# KiCad board aquarius-plus.kicad_pcb (continued)
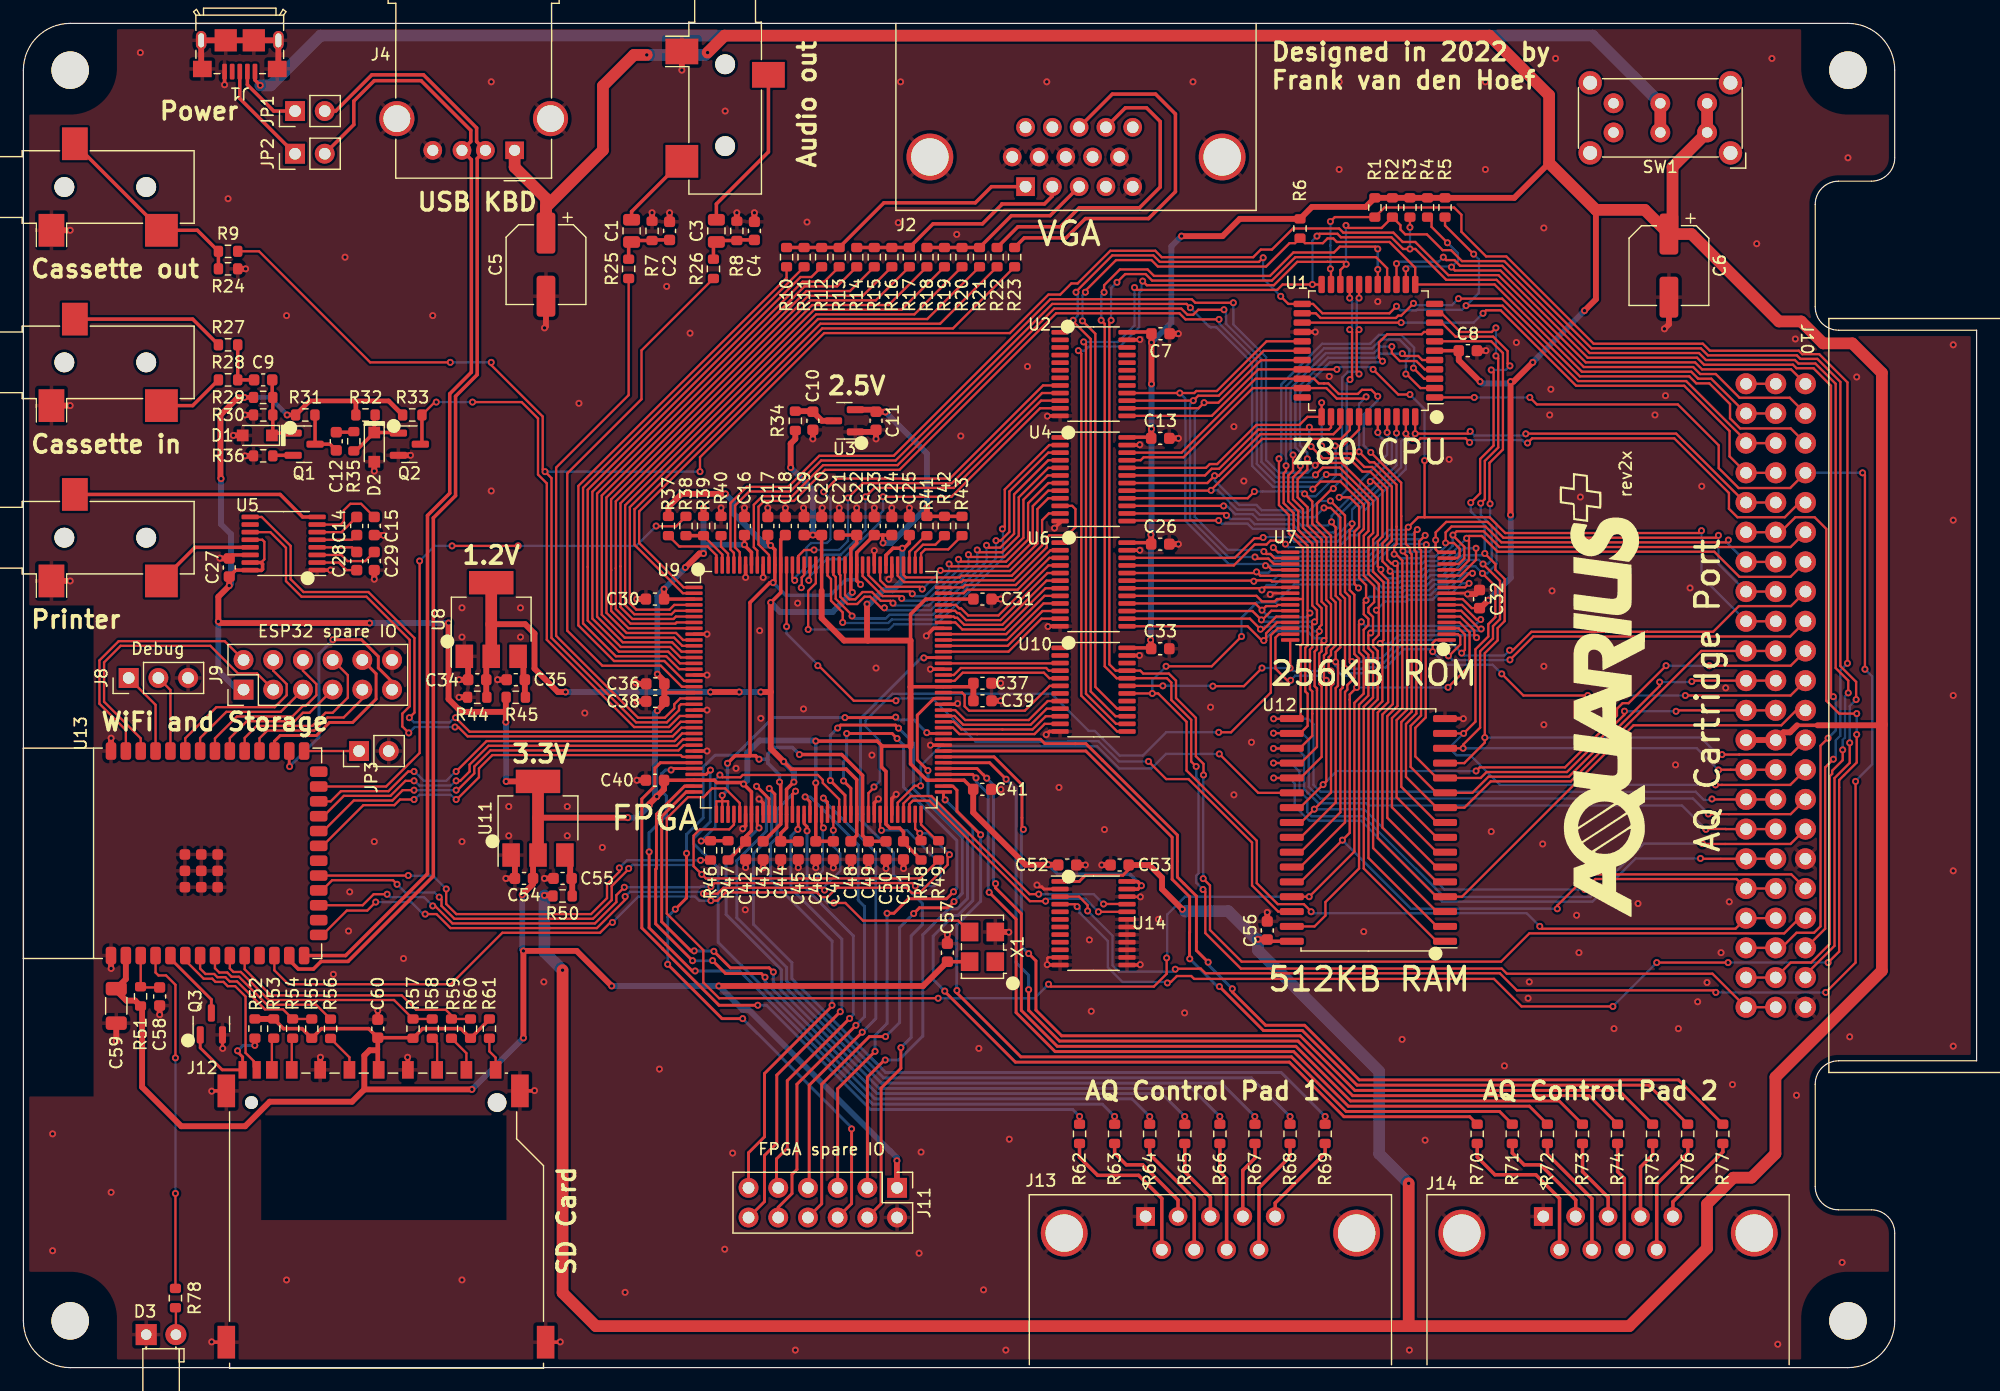
[diagram p0: board, top side]
## Footprints (pads in the part's own frame, mm; a bottom-side part is the same pattern mirrored in y, then rotated) (continued)
TSOP-I-32_12.4x8mm_P0.5mm
  rrect 1.575x0.3 smd: 1(-6.688,3.75) 2(-6.688,3.25) 3(-6.688,2.75) 4(-6.688,2.25) 5(-6.688,1.75) 6(-6.688,1.25) 7(-6.688,0.75) 8(-6.688,0.25) 9(-6.688,-0.25) 10(-6.688,-0.75) 11(-6.688,-1.25) 12(-6.688,-1.75) 13(-6.688,-2.25) 14(-6.688,-2.75) 15(-6.688,-3.25) 16(-6.688,-3.75) 17(6.688,-3.75) 18(6.688,-3.25) 19(6.688,-2.75) 20(6.688,-2.25) 21(6.688,-1.75) 22(6.688,-1.25) 23(6.688,-0.75) 24(6.688,-0.25) 25(6.688,0.25) 26(6.688,0.75) 27(6.688,1.25) 28(6.688,1.75) 29(6.688,2.25) 30(6.688,2.75) 31(6.688,3.25) 32(6.688,3.75)
TSSOP-16_4.4x5mm_P0.65mm
  rrect 1.475x0.4 smd: 1(-2.862,2.275) 2(-2.862,1.625) 3(-2.862,0.975) 4(-2.862,0.325) 5(-2.862,-0.325) 6(-2.862,-0.975) 7(-2.862,-1.625) 8(-2.862,-2.275) 9(2.862,-2.275) 10(2.862,-1.625) 11(2.862,-0.975) 12(2.862,-0.325) 13(2.862,0.325) 14(2.862,0.975) 15(2.862,1.625) 16(2.862,2.275)
TSSOP-24_4.4x7.8mm_P0.65mm
  rrect 1.475x0.4 smd: 1(-2.862,3.575) 2(-2.862,2.925) 3(-2.862,2.275) 4(-2.862,1.625) 5(-2.862,0.975) 6(-2.862,0.325) 7(-2.862,-0.325) 8(-2.862,-0.975) 9(-2.862,-1.625) 10(-2.862,-2.275) 11(-2.862,-2.925) 12(-2.862,-3.575) 13(2.862,-3.575) 14(2.862,-2.925) 15(2.862,-2.275) 16(2.862,-1.625) 17(2.862,-0.975) 18(2.862,-0.325) 19(2.862,0.325) 20(2.862,0.975) 21(2.862,1.625) 22(2.862,2.275) 23(2.862,2.925) 24(2.862,3.575)
USB_A_Molex_67643_Horizontal
  rect 1.6x1.5 hole 0.95: 1(0,0)
  round 1.6 hole 0.95: 2(2.5,0) 3(4.5,0) 4(7,0)
  round 3 hole 2.3: 5(-3.07,-2.71) 5(10.07,-2.71)

## Nets
+1V2: C18.1 C21.1 C22.1 C34.1 C44.1 C45.1 C48.1 R44.2 U8.2 U9.49 U9.61 U9.121 U9.133
+2V5: C11.1 C17.1 C23.1 C24.1 C43.1 C49.1 C50.1 R37.2 R41.2 R42.2 R43.2 U3.2 U9.37 U9.38 U9.39 U9.48 U9.62 U9.120 U9.134
+3V3: C16.1 C19.1 C20.1 C25.1 C27.1 C30.1 C31.1 C36.1 C37.1 C38.1 C39.1 C40.1 C41.1 C42.1 C46.1 C47.1 C51.1 C52.1 C54.1 C57.1 C59.1 C60.1 J9.1 J11.1 J12.4 R29.2 R31.2 R32.2 R33.2 R34.1 R39.2 R45.1 R47.2 R48.2 R51.1 R52.1 R53.2 R55.2 R57.2 R60.2 R61.2 U5.12 U5.15 U5.16 U9.3 U9.19 U9.34 U9.43 U9.54 U9.66 U9.75 U9.91 U9.106 U9.115 U9.126 U9.138 U11.2 U13.2 U14.23 U14.24 X1.4
+5V: C5.1 C6.1 C7.1 C8.1 C13.1 C26.1 C32.1 C33.1 C53.1 C56.1 J4.1 J10.25 R1.1 R2.1 R3.1 R4.1 R5.1 R6.1 R50.1 SW1.1 SW1.4 U1.6 U2.24 U4.24 U6.24 U7.8 U10.24 U12.32 U14.1
GND: C2.2 C4.2 C5.2 C6.2 C7.2 C8.2 C10.2 C11.2 C13.2 C15.2 C16.2 C17.2 C18.2 C19.2 C20.2 C21.2 C22.2 C23.2 C24.2 C25.2 C26.2 C27.2 C29.2 C30.2 C31.2 C32.2 C33.2 C34.2 C35.2 C36.2 C37.2 C38.2 C39.2 C40.2 C41.2 C42.2 C43.2 C44.2 C45.2 C46.2 C47.2 C48.2 C49.2 C50.2 C51.2 C52.2 C53.2 C54.2 C55.2 C56.2 C57.2 C58.2 C59.2 C60.2 D1.2 D2.2 D3.1 J1.5 J1.6 J2.0 J2.5 J2.6 J2.7 J2.8 J2.10 J3.S J4.4 J4.5 J5.S J6.S J7.S J8.3 J9.12 J10.34 J10.44 J11.2 J12.3 J12.6 J12.12 J13.0 J13.1 J14.0 J14.1 JP3.2 Q2.2 Q3.2 R7.1 R8.1 R24.1 R30.1 R36.1 R40.2 R44.1 U1.26 U2.12 U2.23 U3.1 U4.12 U4.23 U5.1 U5.14 U6.12 U6.23 U7.9 U7.24 U8.1 U9.9 U9.16 U9.22 U9.29 U9.42 U9.45 U9.64 U9.67 U9.81 U9.88 U9.94 U9.101 U9.114 U9.117 U9.136 U9.139 U10.12 U10.23 U11.1 U12.16 U13.1 U13.40 U13.41 U14.2 U14.11 U14.12 U14.13 U14.14 U14.15 U14.16 U14.17 U14.18 U14.19 U14.22 X1.2
VBUS: J1.1 SW1.2 SW1.5
A0: J10.23 U1.27 U2.16 U7.20 U12.12
A1: J10.21 U1.28 U2.15 U7.19 U12.11
A2: J10.19 U1.29 U2.14 U7.18 U12.10
A3: J10.17 U1.30 U2.13 U7.17 U12.9
A4: J10.15 U1.31 U4.22 U7.16 U12.8
A5: J10.13 U1.32 U4.21 U7.15 U12.7
A6: J10.12 U1.34 U4.20 U7.14 U12.6
A7: J10.14 U1.35 U4.19 U7.13 U12.5
A8: J10.16 U1.36 U4.18 U7.3 U12.27
A9: J10.18 U1.37 U4.17 U7.2 U12.26
A10: J10.20 U1.38 U4.16 U7.31 U12.23
A11: J10.22 U1.40 U4.15 U7.1 U12.25
A12: J10.24 U1.41 U4.14 U7.12 U12.4
A13: J10.36 U1.42 U4.13 U7.4 U12.28
A14: J10.10 U1.43 U6.22
A15: J10.9 U1.44 U6.21
AUDIO_L: R25.1 U9.20
AUDIO_R: R26.1 U9.18
BA14: U7.5 U9.141 U12.3
BA15: U7.11 U9.140 U12.31
BA16: U7.10 U9.137 U12.2
BA17: U7.6 U9.135 U12.1
BA18: U9.132 U12.30
BUSACK#: J10.42 R2.2 U1.20 U10.13
BUSREQ#: J10.4 R3.2 U1.22 U10.14
CART_CE#: J10.11 U14.4
CASSETTE_IN: Q2.3 R33.1 U9.23
CASSETTE_OUT: J10.2 R9.1 U9.21
D0: J10.26 U1.9 U6.20 U7.21 U12.13
D1: J10.27 U1.10 U6.19 U7.22 U12.14
D2: J10.28 U1.7 U6.18 U7.23 U12.15
D3: J10.29 U1.3 U6.17 U7.25 U12.17
D4: J10.30 U1.2 U6.16 U7.26 U12.18
D5: J10.31 U1.4 U6.15 U7.27 U12.19
D6: J10.32 U1.5 U6.14 U7.28 U12.20
D7: J10.33 U1.8 U6.13 U7.29 U12.21
ESP_CTS: U9.26 U13.24
ESP_EXP0: J9.2 U13.39
ESP_EXP1: J9.3 U13.38
ESP_EXP2: J9.4 U13.35
ESP_EXP3: J9.5 U13.34
ESP_EXP4: J9.6 U13.33
ESP_EXP5: J9.7 U13.32
ESP_EXP6: J9.8 U13.31
ESP_EXP7: J9.9 U13.30
ESP_EXP8: J9.10 U13.29
ESP_EXP9: J9.11 U13.28
ESP_NOTIFY: U13.20
ESP_RTS: U9.28 U13.22
ESP_RX: U9.27 U13.23
ESP_TX: U9.30 U13.21
ESP_USB_DM: J4.2 JP1.2 U13.13
ESP_USB_DP: J4.3 JP2.2 U13.14
FPGA_A0: U2.8 U9.131
FPGA_A1: U2.9 U9.130
FPGA_A2: U2.10 U9.129
FPGA_A3: U2.11 U9.128
FPGA_A4: U4.2 U9.127
FPGA_A5: U4.3 U9.125
FPGA_A6: U4.4 U9.124
FPGA_A7: U4.5 U9.123
FPGA_A8: U4.6 U9.122
FPGA_A9: U4.7 U9.119
FPGA_A10: U4.8 U9.118
FPGA_A11: U4.9 U9.116
FPGA_A12: U4.10 U9.113
FPGA_A13: U4.11 U9.112
FPGA_A14: U6.2 U9.108
FPGA_A15: U6.3 U9.107
FPGA_BUSACK#: U9.84 U10.11
FPGA_BUSREQ#: U9.85 U10.10
FPGA_CART_CE#: U9.70 U14.20
FPGA_D0: U6.4 U9.105
FPGA_D1: U6.5 U9.104
FPGA_D2: U6.6 U9.103
FPGA_D3: U6.7 U9.102
FPGA_D4: U6.8 U9.100
FPGA_D5: U6.9 U9.99
FPGA_D6: U6.10 U9.98
FPGA_D7: U6.11 U9.97
FPGA_DONE: R48.1 U9.71 U13.12
FPGA_EXP0: J11.4 U9.96
FPGA_EXP1: J11.3 U9.89
FPGA_EXP2: J11.6 U9.83
FPGA_EXP3: J11.5 U9.60
FPGA_EXP4: J11.8 U9.59
FPGA_EXP5: J11.7 U9.56
FPGA_EXP6: J11.10 U9.53
FPGA_EXP7: J11.9 U9.52
FPGA_EXP8: J11.12 U9.51
FPGA_EXP9: J11.11 U9.50
FPGA_INT#: U9.87 U10.8
FPGA_IORQ#: U9.93 U10.4
FPGA_MREQ#: U9.95 U10.3
FPGA_PHI: U9.69 U14.21
FPGA_PROG#: R38.1 U13.25
FPGA_RD#: U9.92 U10.5
FPGA_RESET#: U9.86 U10.9
FPGA_WR#: U9.90 U10.6
HALT#: J10.41 U1.14
HC1_D00: R62.2 U9.31
HC1_D01: R64.2 U9.33
HC1_D02: R66.2 U9.36
HC1_D03: R68.2 U9.46
HC1_D04: R69.2 U9.47
HC1_D05: R67.2 U9.44
HC1_D06: R65.2 U9.35
HC1_D07: R63.2 U9.32
HC2_D00: R70.2 U9.73
HC2_D01: R72.2 U9.76
HC2_D02: R74.2 U9.78
HC2_D03: R76.2 U9.80
HC2_D04: R77.2 U9.82
HC2_D05: R75.2 U9.79
HC2_D06: R73.2 U9.77
HC2_D07: R71.2 U9.74
INT#: J10.3 R6.2 U1.12 U10.16
IORQ#: J10.43 U1.16 U10.20
M1#: J10.6 U1.24
MREQ#: J10.38 U1.15 U10.21
NMI#: J10.39 R4.2 U1.13
PHI: J10.8 U1.1 U14.3
PRINTER_IN: U5.9 U9.24
PRINTER_OUT: U5.11 U9.25
RAM_CE#: U9.68 U12.22
RAM_ROM_WE#: U7.7 U9.41 U12.29
RD#: J10.35 U1.18 U7.32 U10.19 U12.24
RESET#: J10.5 R5.2 U1.23 U10.15
RFSH#: J10.7 U1.25
ROM_CE#: U7.30 U9.63
SD_ACTIVITY: R78.1 U13.4
SD_CD#: J12.10 U13.6
SD_MISO: R54.1 R55.1 U13.7
SD_MOSI: R57.1 R58.1 U13.9
SD_SCK: R56.1 U13.8
SD_SSEL#: R59.1 R60.1 U13.10
SD_WP#: Q3.3 U13.5
SPI_CS#: R46.1 U13.19
SPI_MISO: U9.57 U13.15
SPI_MOSI: U9.65 U13.17
SPI_SCLK: R49.1 U9.40 U13.18
SYSCLK: U9.55 X1.3
VGA_B0: R21.1 U9.4
VGA_B1: R20.1 U9.5
VGA_B2: R19.1 U9.6
VGA_B3: R18.1 U9.7
VGA_G0: R17.1 U9.8
VGA_G1: R16.1 U9.10
VGA_G2: R15.1 U9.11
VGA_G3: R14.1 U9.12
VGA_HSYNC: R23.1 U9.1
VGA_R0: R13.1 U9.13
VGA_R1: R12.1 U9.14
VGA_R2: R11.1 U9.15
VGA_R3: R10.1 U9.17
VGA_VSYNC: R22.1 U9.2
WAIT#: J10.40 R1.2 U1.21
WR#: J10.37 U1.19 U10.18
Net-(C1-Pad1): C1.1 C2.1 R7.2 R25.2
Net-(C1-Pad2): C1.2 J3.T
Net-(C3-Pad1): C3.1 C4.1 R8.2 R26.2
Net-(C3-Pad2): C3.2 J3.R
Net-(C9-Pad1): C9.1 R27.2 R28.2
Net-(C12-Pad2): C12.2 R35.1
Net-(D1-K): C9.2 D1.1 Q1.1 R29.1 R30.2
Net-(D2-K): D2.1 Q2.1 R32.1 R35.2
Net-(D3-A): D3.2 R78.2
Net-(J1-D+): J1.3 JP2.1
Net-(J1-D-): J1.2 JP1.1
Net-(J2-Pad1): J2.1 R10.2 R11.2 R12.2 R13.2
Net-(J2-Pad2): J2.2 R14.2 R15.2 R16.2 R17.2
Net-(J2-Pad3): J2.3 R18.2 R19.2 R20.2 R21.2
Net-(J2-Pad13): J2.13 R23.2
Net-(J2-Pad14): J2.14 R22.2
Net-(J5-PadR): J5.R J5.T R9.2 R24.2
Net-(J6-PadR): J6.R R27.1
Net-(J6-PadT): J6.T R28.1
Net-(J8-Pin_1): J8.1 U13.37
Net-(J8-Pin_2): J8.2 U13.36
Net-(J12-CD/DAT3): J12.1 R59.2
Net-(J12-CLK): J12.5 R56.2
Net-(J12-CMD): J12.2 R58.2
Net-(J12-DAT0): J12.7 R54.2
Net-(J12-DAT1): J12.8 R53.1
Net-(J12-DAT2): J12.9 R61.1
Net-(J12-WRITE_PROTECT): J12.11 Q3.1 R52.2
Net-(J13-Pad2): J13.2 R63.1
Net-(J13-Pad3): J13.3 R65.1
Net-(J13-Pad4): J13.4 R67.1
Net-(J13-Pad5): J13.5 R69.1
Net-(J13-Pad6): J13.6 R62.1
Net-(J13-Pad7): J13.7 R64.1
Net-(J13-Pad8): J13.8 R66.1
Net-(J13-Pad9): J13.9 R68.1
Net-(J14-Pad2): J14.2 R71.1
Net-(J14-Pad3): J14.3 R73.1
Net-(J14-Pad4): J14.4 R75.1
Net-(J14-Pad5): J14.5 R77.1
Net-(J14-Pad6): J14.6 R70.1
Net-(J14-Pad7): J14.7 R72.1
Net-(J14-Pad8): J14.8 R74.1
Net-(J14-Pad9): J14.9 R76.1
Net-(JP3-A): JP3.1 U13.27
Net-(Q1-C): C12.1 Q1.3 R31.1
Net-(Q1-E): Q1.2 R36.2
Net-(U3-VI): C10.1 R34.2 U3.3
Net-(U5-C1+): C28.1 U5.2
Net-(U5-C1-): C28.2 U5.4
Net-(U5-C2+): C14.1 U5.5
Net-(U5-C2-): C14.2 U5.6
Net-(U5-DOUT): J7.T U5.13
Net-(U5-RIN): J7.R U5.8
Net-(U5-V+): C29.1 U5.3
Net-(U5-V-): C15.1 U5.7
Net-(U8-VI): C35.1 R45.2 U8.3
Net-(U9-B4_IO_INIT_B): R46.2 R47.1 U9.58
Net-(U9-CCLK): R49.2 U9.72
Net-(U9-HSWAP_EN): R40.1 U9.142
Net-(U9-PROG_B): R38.2 R39.1 U9.143
Net-(U9-TCK): R42.1 U9.110
Net-(U9-TDI): R37.1 U9.144
Net-(U9-TDO): R43.1 U9.109
Net-(U9-TMS): R41.1 U9.111
Net-(U11-VI): C55.1 R50.2 U11.3
Net-(U13-EN): C58.1 R51.2 U13.3

Pads without a net: J1 4; J2 4 9 11 12 15; J10 1; SW1 3 6; U1 11 17 33 39; U2 1 2 3 4 5 6 7 17 18 19 20 21 22; U4 1; U5 10; U6 1; U10 1 2 7 17 22; U13 11 16 26; U14 5 6 7 8 9 10; X1 1

## Via types
v1: diameter 0.6, hole 0.3, Top to Bottom, 715 vias

## Routing (per net, layer and track width the routed paths; a pad name or vN(x,y) marks a point on that pad's centre or on a via; arc(x,y) is an arc through that point)
+1V2: length 93.9
  Top w0.3: v1(65.88,50.1) 65.25,49.47 U9.49 65.25,46.2 64.75,45.7 C44.1 C45.1 ; C48.1 71.25,45.53 U9.61 71.25,50.3 70.35,51.2 65.65,51.2 v1(65,51.85) ; v1(63.9,65.45) 64.75,66.3 U9.133 64.75,70.83 C18.1 ; v1(70.88,66.33) 70.75,66.45 U9.121 70.75,70.03 71.25,70.53 C22.1 C21.1
  Top w0.5: 39.58,57.4 C34.1 39.58,60.42 ; v1(46.35,57.8) 45.7,57.8 43.7,59.8 43.7,62.8 42.9,63.6 40,63.6 ; v1(65,51.85) 63.9,52.95 63.9,57.8 ; v1(61.2,57.8) v1(58.75,57.8) ; 63.9,57.8 v1(63.05,57.8) ; 63.9,57.8 v1(63.9,65.45)
  Top w1: U8.2 U8.2
  Bottom w0.5: v1(65,51.85) 65.88,50.97 v1(65.88,50.1) ; v1(70.88,66.33) 69.2,64.65 64.7,64.65 v1(63.9,65.45) ; v1(63.05,57.8) v1(61.2,57.8) ; v1(46.35,57.8) v1(58.75,57.8)
+2V5: length 106
  Top w0.2: 59.75,48.45 60.25,48.45 U9.39 ; 59.75,48.45 v1(59.75,48.95) ; 59.75,48.45 U9.38 ; 59.75,48.45 59.25,48.45 U9.37
  Top w0.3: v1(66.35,52.45) 69.96,52.45 71.75,50.66 U9.62 71.75,45.53 C49.1 C50.1 ; v1(64.65,50.1) 64.75,50 U9.48 64.75,46.5 63.28,45.03 ; 73.47,71.22 C23.1 71.25,69.73 U9.120 71.25,67.33 v1(71.57,67) ; 73.47,71.22 C24.1 ; 73.47,71.22 73.47,70.58 v1(73.5,70.55) ; R41.2 R42.2 R43.2 ; 62.12,52.35 62.6,52.35 v1(62.9,52.05) ; 62.12,52.35 62.12,65.45 63.82,67.15 v1(64.1,67.15) 64.25,67.3 U9.134 64.25,69.97 v1(63.89,70.34) 63.65,70.58 C17.1 ; 62.12,52.35 60.85,52.35 v1(60.2,51.7)
  Top w0.5: v1(73.7,81.75) 73.68,81.78 C11.1 ; v1(60.03,74.75) 56.28,74.75 55.15,73.62 R37.2 ; U3.2 72.72,81.95 ; v1(77.25,73.6) R41.2
  Bottom w0.3: v1(60.2,51.7) 60.2,49.4 v1(59.75,48.95) ; 63.65,52 63.65,51.7 64.65,50.7 v1(64.65,50.1) ; 63.65,52 63.65,52.5 64.2,53.05 65.75,53.05 v1(66.35,52.45) ; 63.65,52 63.6,52.05 v1(62.9,52.05) ; v1(64.1,67.15) 65.18,66.07 68.97,66.07 70.3,67.4 71.18,67.4 v1(71.57,67)
  Bottom w0.5: v1(60.03,74.75) 60.7,74.08 60.7,73.1 63.46,70.34 v1(63.89,70.34) ; v1(73.7,81.75) 77.25,78.2 v1(77.25,73.6) 74.2,70.55 v1(73.5,70.55)
+3V3: length 462.4
  Top w0.2: U5.12 20.42,70.83 20.6,70.65 20.6,69.15 20.33,68.88
  Top w0.25: R53.2 21.3,29.83 21.29,29.83
  Top w0.3: C27.1 18.15,68.22 U5.16 ; 73.43,53.17 73.38,53.12 73.38,51.38 73.75,51 U9.66 73.75,46.5 74.09,46.16 74.91,46.16 75.25,45.83 C51.1 ; 73.43,53.17 75.8,53.17 75.85,53.12 75.85,51.65 77.25,50.25 80.43,50.25 C41.1 ; 73.43,53.17 73,53.6 v1(67.75,53.6) ; 54.78,57.75 U9.19 ; 94.36,41.58 95.28,41.58 95.6,41.25 95.59,41.24 v1(95.59,41.23) 95.58,41.23 95.28,40.92 94.36,40.92 ; R53.2 22.23,29 23.83,29 R55.2 25.48,29 29.53,29 C60.1 33.26,28.22 R57.2 34.14,29 37.4,29 R60.2 39.84,29.79 R61.2 ; 81.22,58.25 U9.91 75.88,58.25 ; C42.1 61.75,45.43 62.25,45.93 U9.43 62.25,49.25 v1(61.58,49.92) 61.45,50.05 59.28,50.05 59.08,50.25 U9.34 C40.1 ; U9.138 62.25,69.75 61.65,70.35 v1(61.65,70.4) C16.1 ; C31.1 U9.106 77.15,65.75 75.85,64.45 75.85,62.2 ; U5.15 20.33,68.88 20.45,68.75 20.45,68.3 20.35,68.2 19.41,68.2 ; C57.1 80.9,34.72 ; 68.25,66.45 U9.126 C20.1 ; C25.1 75.75,70.55 75.3,70.1 v1(75.15,70.1) 74.35,70.1 73.75,69.5 U9.115 ; 60.26,43.42 61.75,44.91 ; C47.1 C46.1 U9.54 v1(67.75,50.03) ; 76.75,43.45 75.25,44.95 ; C30.1 U9.3
  Top w0.4: 28.3,82.7 24.47,82.7 23.28,81.5 v1(22.55,81.5) ; 28.3,82.7 28.42,82.58 R32.2 ; 28.3,82.7 31.22,82.7 R33.2 ; 30.3,27.25 30.2,27.15 ; 30.3,27.25 C60.1 ; 30.3,27.25 30.3,25.55 ; v1(18.9,83) R29.2
  Top w0.5: 75.85,58.22 75.85,62.2 72.2,62.2 ; 75.85,58.22 75.88,58.25 ; 75.85,58.22 75.85,53.12 ; v1(53.5,48.08) 53.5,48.2 v1(54.15,48.85) 54.78,49.47 C40.1 ; 41.25,56.15 41.2,56.1 37.51,56.1 37.26,56.35 37.19,56.35 36.35,57.19 v1(36.35,63.7) ; 41.25,56.15 v1(41.25,55.22) ; 41.25,56.15 41.25,57.33 ; 29.15,23.8 29.15,26.7 29.6,27.15 30.2,27.15 ; 29.15,23.8 v1(38.35,23.8) ; 29.15,23.8 28.1,22.75 21.06,22.75 18.96,20.65 13.5,20.65 10.15,24 10.15,30.8 9.55,31.4 8.8,31.4 7.94,32.26 C59.1 8.76,33.24 U13.2 ; J11.1 74.69,15.39 v1(74.69,17.7) ; 54.8,58.72 v1(54.2,59.33) ; C57.1 76.93,32.65 v1(59.46,32.65) ; 72.2,62.2 70.17,62.2 68.25,64.12 68.25,66.45 ; 72.2,62.2 72.13,62.27 v1(72.13,65.32) ; v1(56.6,68.45) 57.8,69.65 v1(58.15,69.65) ; R52.1 21.29,29.83 ; 44,47.05 v1(51.67,47.05) ; C38.1 C36.1 ; C27.1 v1(17.6,66.9) 17.6,66.88 16.67,65.94 v1(16.67,63.83) 16.8,63.7 v1(29.6,63.7) ; 43.58,43.42 C54.1 43.58,41.38 v1(42.65,40.45) ; v1(42.75,28.2) v1(42.75,35.65) 47.3,35.65 v1(50.3,32.65) ; C19.1 v1(67.5,71.22) C20.1 ; U11.2 v1(41.28,50.15) ; v1(54.2,56.2) 54.8,56.8 ; v1(18.9,83) 18.35,83 16.85,81.5 16.85,76.1 v1(16.9,76.05) ; C37.1 C39.1 ; v1(65.6,77) 65.6,79.05 66,79.45 R34.1 ; C52.1 88.45,43.02 87.63,43.02 v1(87.62,43.02) 87.62,43.02 85.68,43.02 81.21,47.49 C41.1 ; R39.2 v1(58.15,73.55) ; v1(54.78,66.6) C30.1
  Top w1: U11.2 U11.2
  Bottom w0.3: v1(95.59,41.23) 94.62,42.2 88.45,42.2 v1(87.62,43.02) ; v1(67.75,50.03) v1(67.75,53.6)
  Bottom w0.4: v1(18.9,83) 21.05,83 v1(22.55,81.5)
  Bottom w0.5: v1(58.15,73.55) 58.15,70.25 ; 58.15,70.25 v1(58.15,69.65) ; 58.15,70.25 58.3,70.4 v1(61.65,70.4) ; v1(54.2,56.2) 54.01,56.01 54.01,49 v1(54.15,48.85) ; v1(17.6,66.9) 17.75,67.05 17.75,71.3 16.9,72.15 v1(16.9,76.05) ; v1(42.75,35.65) 42.65,35.75 v1(42.65,40.45) ; v1(38.35,23.8) v1(42.75,28.2) ; v1(54.2,59.33) 54.2,66.03 v1(54.78,66.6) 56.6,68.42 v1(56.6,68.45) ; v1(36.35,63.7) v1(29.6,63.7) ; v1(75.15,70.1) 75.15,67.35 74.3,66.5 73.5,66.5 72.32,65.32 v1(72.13,65.32) ; v1(41.25,55.22) 41.28,55.2 v1(41.28,50.15) ; v1(51.67,47.05) 52.47,47.05 v1(53.5,48.08) ; v1(67.75,53.6) 67.7,53.65 62.95,53.65 61.89,52.59 61.89,50.24 v1(61.58,49.92) ; v1(16.67,63.83) 16.67,59.62 18.29,58 J9.1 ; v1(65.6,77) 67.5,75.1 v1(67.5,71.22) ; v1(50.3,32.65) v1(59.46,32.65) 61.5,30.61 62.02,30.61 74.1,18.53 74.12,18.53 74.69,17.96 v1(74.69,17.7)
+5V: length 586.2
  Top w0.2: C32.1 123.84,64.97 123.06,65.75 U7.8
  Top w0.25: C53.1 94.5,42.61 94.01,42.12 90.8,42.12 90.28,41.59 U14.1
  Top w0.3: U12.32 106.5,36.47 ; 94.34,61.58 96.28,61.58 ; 151.65,54.95 153.4,54.95 ; U1.6 C8.1 ; 94.39,88.6 96.3,88.6 ; U6.24 96.3,70.58 ; 94.39,79.6 96.33,79.6
  Top w0.5: v1(96.38,62.25) 96.4,62.22 96.4,61.45 ; 130.45,103.05 127.47,100.08 R5.1 R4.1 R3.1 R1.1 114.78,99.3 110.18,99.3 R6.1 104,98.28 102.53,96.8 v1(99.03,96.8) ; C56.1 105.57,36.62 v1(105.55,36.65) ; v1(124.55,84.35) 122.72,86.17 C8.1 ; v1(99.09,39.21) 97.35,40.95 97.35,41.92 96.27,43 C53.1 ; C13.1 96.43,80.28 v1(96.45,80.3) ; v1(96.4,71.25) 96.43,71.22 C26.1 ; v1(127.15,72.95) v1(127.15,84.35) 127.4,84.35 v1(129.05,86) ; v1(125.25,65.65) 124.58,64.97 ; 118.44,3.86 118.75,3.55 ; 153.4,54.95 158.85,54.95 158.9,55 ; J10.25 149.82,53.69 150.49,54.35 151.05,54.35 151.65,54.95 ; 45.28,40.4 v1(44.55,40.4) ; v1(133.47,90.42) 134.45,91.4 134.45,99.05 ; C7.1 v1(96.45,87.7) v1(96.45,84.15)
  Top w1: v1(58.5,112.5) 59.95,113.95 125.35,113.95 130.45,108.85 130.45,103.05 134.45,99.05 138.62,99.05 C6.1 ; SW1.4 SW1.1 141,102.71 141,97.28 C6.1 ; C6.1 142.62,96.98 150.1,89.5 152,89.5 153.88,87.62 156.38,87.62 158.9,85.1 158.9,33.95 149.8,24.85 149.8,18.3 147.75,16.25 146.2,16.25 143.95,14 143.95,10.2 137.3,3.55 48.95,3.55 46.1,6.4 v1(46.1,34) ; v1(118.44,15.76) 118.44,3.86 ; v1(53.3,112.3) 52.2,112.3 49.55,109.65 49.55,104.15 44.68,99.28 C5.1 44.68,100.02 42,102.7 J4.1
  Bottom w0.5: v1(99.03,96.8) 98.15,95.92 98.15,89.4 v1(96.45,87.7) ; v1(96.45,84.15) v1(96.45,80.3) 96.45,71.3 v1(96.4,71.25) 96.4,62.28 v1(96.38,62.25) ; v1(127.15,84.35) 127,84.2 124.7,84.2 v1(124.55,84.35) ; v1(125.25,65.65) 127.18,67.57 127.18,72.92 v1(127.15,72.95) ; 99.14,39.21 v1(99.09,39.21) ; v1(129.05,86) v1(133.47,90.42)
  Bottom w1: v1(46.1,34) 44.55,35.55 v1(44.55,40.4) ; v1(58.5,112.5) 58.3,112.3 v1(53.3,112.3) ; 105.56,35.7 105.56,36.52 103.02,39.05 99.39,39.05 99.34,39.01 ; 105.56,35.7 105.56,36.64 v1(105.55,36.65) ; 105.56,35.7 115.91,25.35 115.91,18.29 v1(118.44,15.76)
GND: length 134.8
  Top w0.2: 94.36,40.28 v1(95.5,40.28) ; 88.62,35.1 87.61,35.1 87.54,35.03 v1(87.54,34.47) ; U7.9 123.41,66.25 v1(123.48,66.18) ; v1(106.6,66.15) 106.7,66.25 U7.24
  Top w0.25: v1(86.66,41.29) 86.82,41.13 87.07,41.13 87.26,40.94 U14.2 ; v1(83.57,49.46) 83.56,49.47 C41.2 ; Q3.2 17.02,27.33 v1(17.04,27.31)
  Top w0.3: U9.16 v1(58.45,59.25) ; v1(74.62,49.05) 74.25,48.68 U9.67 ; J12.12 45.88,2.18 v1(45.9,2.2) ; U9.94 v1(77.55,59.75) ; v1(73.1,48.65) 72.75,48.3 U9.64 ; U10.12 87.72,54.42 v1(87.45,54.15) ; U9.117 v1(72.75,69.9) ; v1(61.75,67.6) U9.139 ; v1(87.54,34.47) 87.56,34.45 88.62,34.45 ; v1(95.43,60.93) 94.34,60.93 ; v1(87.6,63.4) 87.62,63.42 U6.12 ; v1(77.2,62.6) 77.2,62.63 77.82,63.25 U9.101 ; J12.12 16.12,23.67 v1(16.1,23.65) ; U9.88 79.81,56.75 v1(79.88,56.81) ; U9.136 v1(63.25,67.6) ; U9.42 61.75,46.35 v1(61.5,46.1) ; v1(95.45,69.93) 94.36,69.93 ; J12.12 16.12,2.18 v1(16.1,2.2) ; v1(95.49,34.47) 95.46,34.45 94.35,34.45 ; U12.16 123.11,55.53 v1(123.12,55.52) ; v1(74,67.45) 74.25,67.7 U9.114 ; U9.9 v1(58.45,62.75) ; U9.81 v1(77.55,53.25) ; v1(43.7,23.7) 43.67,23.67 J12.12 ; U1.26 v1(110.45,88.6) ; U9.29 v1(58.45,52.75) ; v1(88.16,71.82) 88.64,72.3 U4.12 ; U4.23 95.43,78.92 v1(95.45,78.95) ; U5.1 25.11,68.22 v1(26.26,68.22) ; 17.6,69.22 17.9,69.53 U5.14 ; v1(95.45,87.95) 95.43,87.92 U2.23 ; v1(62.9,48.65) 63.25,48.29 U9.45 ; U2.12 87.57,81.42 v1(87.55,81.4) ; U9.22 v1(58.45,56.25) ; J1.5 v1(17.2,109.75)
  Top w0.4: J12.3 32.88,26.53 v1(32.85,26.55) ; C60.2 v1(30.3,30.55)
  Top w0.5: J12.6 25.38,26.53 v1(25.4,26.55) ; U13.1 7.49,34.16 v1(7.5,34.15) ; Q2.2 v1(33.1,78.05) ; C37.2 v1(83.55,58.55) ; 21.8,111.2 J1.6 J1.6 15.2,111.2 ; D1.2 v1(17.95,79.75) ; C6.2 140.69,89.26 v1(140.31,88.87) ; C36.2 52.45,58.5 v1(52.35,58.6) ; C20.2 68.25,73.5 v1(68.3,73.55) ; X1.2 84.23,37.27 v1(84.25,37.25) ; v1(63.25,42.77) C43.2 ; J5.S v1(4,97.3) ; v1(16.8,69.25) 16.83,69.22 17.6,69.22 ; C35.2 v1(40.55,58.85) ; C58.2 v1(11.65,30.2) ; J7.S v1(4,67.3) ; C22.2 v1(71.25,73.55) ; v1(7.5,53.85) 7.49,53.84 U13.40 ; C8.2 v1(125.05,87) ; v1(61.75,42.78) C42.2 ; C51.2 v1(75.25,42.7) ; 42.03,43.53 C54.2 v1(41.25,41.85) ; C29.2 v1(30,67.45) ; C23.2 v1(72.75,73.55) ; R44.1 v1(37.25,57.35) ; C59.2 v1(7.94,27.95) ; C11.2 v1(72.9,79.45) ; C10.2 v1(67.5,79.45) ; C21.2 v1(69.75,73.55) ; R8.1 v1(61,98.8) ; C56.2 v1(106.35,38.95) ; C19.2 66.75,73.5 v1(66.7,73.55) ; C15.2 30.78,71.22 v1(30.8,71.2) ; C26.2 v1(98.75,70.45) ; v1(66.25,42.78) C45.2 ; v1(37.25,58.85) C34.2 38.03,60.53 ; C2.2 v1(55.25,98.8) ; C32.2 124.15,66.18 v1(123.48,66.18) ; R30.1 v1(18.95,81.5) ; v1(44.56,88.95) 44.68,89.07 C5.2 ; R7.1 v1(53.75,98.8) ; v1(72.25,42.77) C49.2 ; C4.2 v1(62.5,98.8) ; C50.2 v1(73.75,42.7) ; C57.2 v1(79,37.05) ; C13.2 v1(98.75,79.5) ; C55.2 v1(44.55,41.85) ; C39.2 v1(83.55,57.05) ; U3.1 72.72,80.05 ; J6.S v1(4,82.3) ; v1(67.75,42.77) C46.2 ; v1(65.15,73.55) C18.2 ; C25.2 v1(75.75,73.55) ; C7.2 v1(98.75,88.45) ; C40.2 v1(52.45,50.25) ; R24.1 v1(19,94) ; v1(61.65,73.55) C16.2 ; C38.2 v1(52.47,57) ; R40.2 v1(59.65,73.55) ; C24.2 v1(74.25,73.55) ; v1(63.65,73.55) C17.2 ; v1(69.25,42.76) C47.2 ; v1(70.75,42.75) C48.2 ; C52.2 v1(90.8,43) ; C53.2 v1(92.2,43) ; D2.2 v1(30,76.7) ; v1(64.75,42.77) C44.2 ; C31.2 v1(83.55,65.75) ; C30.2 v1(52.45,65.75) ; J3.S v1(56.3,111) ; R36.1 v1(18.95,78)
  vias: v1(2.5,20) v1(2.5,10) v1(7.5,15) v1(10,112.5) v1(17.5,100) v1(22.5,90) v1(22.5,7.5) v1(26.5,33.65) v1(27.5,95) v1(27.8,37.35) v1(27.9,40.7) v1(30,45) v1(32.5,35) v1(35,90) v1(37.5,65) v1(37.5,62.5) v1(37.5,45) v1(37.5,7.5) v1(40,110) v1(40,75) v1(41.5,48) v1(41.5,45.5) v1(42.5,65) v1(42.5,62.5) v1(44.5,33) v1(46.5,48) v1(46.5,45.5) v1(47.5,82.5) v1(48,56) v1(49.5,44.5) v1(51.44,6.44) v1(54.38,25.54) v1(55,92.5) v1(57,88.5) v1(60,107.5) v1(59.97,10.13) v1(60.64,18.35) v1(60.93,51.27) v1(61.72,39.17) v1(62.95,63.05) v1(63.05,55.55) v1(66,1.5) v1(66.2,65.4) v1(66.7,56.35) v1(67,98) v1(72.55,52.4) v1(72.9,59.85) v1(74.8,97.95) v1(75,110) v1(76.58,9.79) v1(76.75,18.44) v1(79.8,96.95) v1(80.15,79.7) v1(81.69,27.31) v1(82.09,6.65) v1(84,1.5) v1(84.29,19.54) v1(85.85,85.65) v1(87.5,110) v1(88.55,49.64) v1(91.14,36.59) v1(91.3,30.49) v1(92.43,46.03) v1(97.05,38.35) v1(99.28,30.35) v1(100,110) v1(101.5,56.5) v1(103.5,80.5) v1(103.5,49) v1(104.35,75.85) v1(105,53.5) v1(111.65,84.8) v1(112.5,110) v1(112.5,102.5) v1(114.6,37.3) v1(115.8,91.2) v1(117.88,28.08) v1(118.5,1.5) v1(119.84,19.46) v1(121.9,77.7) v1(125,110) v1(125,102.5) v1(125.5,45.86) v1(126.63,25.82) v1(127.65,87.7) v1(128.65,31.6) v1(128.75,33) v1(129.9,44.8) v1(130,97.5) v1(130,60) v1(130,55) v1(130.5,81.5) v1(130.6,83.7) v1(130.7,66.45) v1(131,112) v1(132.8,38.7) v1(133,35.5) v1(133.12,74.48) v1(136,29) v1(138.05,39.7) v1(139.5,81.5) v1(140.4,83.15) v1(141.26,51.57) v1(141.5,29) v1(142.5,66.7) v1(143.15,31.3) v1(143.5,75.4) v1(143.95,32.95) v1(145.15,35.5) v1(145.55,58.15) v1(145.85,39.85) v1(146.13,24.22) v1(148.2,96.15) v1(149.5,112) v1(150,2) v1(151.5,88) v1(151.6,23.3) v1(155.5,9) v1(156,103.5) v1(156.15,28.3) v1(156.75,84.75) v1(165,87.5) v1(165,72.5) v1(165,57.5) v1(165,42.5) v1(165,27.5)
VBUS: length 127.7
  Top w0.3: J1.1 19.8,110.15 v1(20.25,109.7)
  Top w1: SW1.5 SW1.2
  Bottom w1: SW1.5 134.18,113.95 25.4,113.95 21.15,109.7 v1(20.25,109.7)
A0: length 105.1
  Top w0.2: U12.12 124.59,50.44 125.1,50.95 131.97,50.95 136.89,55.87 v1(136.89,56.16) ; v1(119.95,70.4) 119.9,70.35 119.9,55.62 119.01,54.73 119.01,52.29 120.85,50.44 ; v1(106.21,68.61) 106.39,68.61 106.75,68.25 U7.20 ; U1.27 106.29,87.8 102.04,83.55 100.28,83.55 100.11,83.38 v1(98.88,83.38) U2.16 ; 149.82,56.23 141.38,56.23 v1(141.3,56.15)
  Bottom w0.2: v1(141.3,56.15) 136.9,56.15 v1(136.89,56.16) ; v1(98.88,83.38) 99.35,82.9 99.35,72.45 103.05,68.75 106.06,68.75 v1(106.21,68.61) 106.21,68.6 115.35,68.6 117.22,70.47 119.88,70.47 v1(119.95,70.4)
A1: length 108.7
  Top w0.2: 120.82,49.17 118.61,51.39 118.61,54.9 119.5,55.79 119.5,69.93 119.35,70.07 119.35,70.7 v1(119.85,71.2) ; v1(139.9,58.65) 139.9,58.32 132.14,50.55 125.27,50.55 123.89,49.17 U12.11 ; v1(142.65,58.7) 142.72,58.77 149.82,58.77 ; 109.32,86.98 106.04,86.98 102.2,83.15 100.45,83.15 v1(100.03,82.72) U2.15 ; U7.19 106.91,68.75 106.46,69.21 105.44,69.21 v1(105.3,69.35)
  Bottom w0.2: v1(100.03,82.72) 99.75,82.45 99.75,72.62 103.02,69.35 v1(105.3,69.35) 105.44,69.21 106.46,69.21 106.66,69 115.18,69 117.05,70.87 119.52,70.87 v1(119.85,71.2) ; v1(139.9,58.65) 142.6,58.65 v1(142.65,58.7)
A2: length 109.9
  Top w0.2: 109.32,86.18 105.8,86.18 102.17,82.55 v1(100.95,82.55) 100.47,82.08 U2.14 ; 120.84,47.91 118.21,50.54 118.21,55.07 119.1,55.95 119.1,69.76 118.95,69.91 118.95,71.46 v1(119.18,71.69) ; 149.82,61.31 143.46,61.31 132.3,50.15 125.45,50.15 123.21,47.91 U12.10 ; U7.18 106.98,69.25 106.62,69.61 106.27,69.61 v1(106.06,69.82)
  Bottom w0.2: v1(119.18,71.69) 118.75,71.27 116.89,71.27 115.02,69.4 106.83,69.4 106.62,69.61 106.27,69.61 v1(106.06,69.82) 105.93,69.95 102.98,69.95 100.15,72.78 100.15,81.75 v1(100.95,82.55)
A3: length 117.2
  Top w0.2: v1(106.87,70.15) 107.27,69.75 U7.17 ; v1(115.4,85.4) 117.55,83.25 v1(118.55,83.25) ; J10.17 149.82,63.85 ; 119.8,72.75 125.35,72.75 126.7,71.4 143.28,71.4 v1(143.47,71.6) ; 119.8,72.75 v1(119.8,77.6) ; 119.8,72.75 119.25,72.75 v1(118.4,71.9) 118.2,71.7 118.2,70.46 118.55,70.12 118.55,69.74 118.7,69.59 118.7,56.12 117.81,55.23 117.81,49.69 120.87,46.64 ; U2.13 101.61,81.42 105.58,85.4 U1.30 v1(112.3,85.4)
  Bottom w0.2: v1(112.3,85.4) 112.5,85.6 115.2,85.6 v1(115.4,85.4) ; v1(106.87,70.15) 107.22,69.8 114.85,69.8 116.72,71.67 118.17,71.67 v1(118.4,71.9) ; 147.3,63.85 143.47,67.67 v1(143.47,71.6) ; v1(118.55,83.25) 119.8,82 v1(119.8,77.6)
A4: length 105.3
  Top w0.2: v1(115.8,83.1) 115.25,83.65 114.45,83.65 114.1,83.3 112.47,83.3 111.57,84.2 111.2,84.2 110.75,84.2 110.35,84.6 U1.31 105.35,84.6 99.03,78.28 U4.22 ; v1(144.93,71.2) 144.73,71 126.54,71 125.18,72.35 121.65,72.35 120.75,71.45 v1(120.75,70.8) 120.75,70 121,69.75 ; 120.84,45.36 117.41,48.79 117.41,55.4 118.3,56.28 118.3,69.43 117.95,69.78 v1(117.95,69.87) 117.81,70.01 117.81,72.84 117.8,72.85 117.8,75.7 v1(115.2,78.3) ; J10.15 149.82,66.39
  Bottom w0.2: v1(115.8,83.1) 115.8,82.75 114.6,81.55 114.6,78.9 v1(115.2,78.3) ; 147.3,66.39 144.93,68.77 v1(144.93,71.2) ; v1(117.95,69.87) 118.02,69.8 120.2,69.8 120.75,70.35 v1(120.75,70.8)
A5: length 106
  Top w0.2: U4.21 95.53,77.62 95.78,77.88 99.19,77.88 105.12,83.8 U1.32 111.4,83.8 112.3,82.9 114.65,82.9 v1(114.8,83.05) ; 149.82,68.93 J10.13 ; 120.85,44.09 117.01,47.94 117.01,55.56 117.9,56.45 117.9,69.05 117.35,69.59 v1(117.2,69.59) 117.2,70.24 117.41,70.45 117.41,71.95 117.4,71.95 117.4,75.54 115.49,77.45 115.1,77.45 v1(114.2,78.35) ; U7.15 122.6,69.25 122.8,69.45 122.8,70.05 122.3,70.55 v1(121.6,70.55) 121.6,71.45 122.1,71.95 125.02,71.95 126.37,70.6 145.58,70.6 v1(145.78,70.8)
  Bottom w0.2: v1(121.6,70.55) 121.6,70.27 120.73,69.4 119.66,69.4 119.5,69.25 117.72,69.25 117.38,69.59 v1(117.2,69.59) ; v1(114.8,83.05) 114.2,82.45 v1(114.2,78.35) ; 147.3,68.93 145.78,70.45 v1(145.78,70.8)
A6: length 108.1
  Top w0.2: U4.20 101.11,76.97 101.44,77.3 102.07,77.3 105.42,80.65 109.1,80.65 109.79,81.34 U1.34 v1(111,82.55) ; U7.14 122.72,68.75 123.2,69.23 123.2,70.22 122.22,71.19 v1(122.22,71.23) 122.55,71.55 124.85,71.55 126.2,70.2 151.09,70.2 J10.12 ; 120.82,42.83 116.61,47.04 116.61,55.73 117.49,56.6 117.49,68.61 v1(117.3,68.8) 116.95,68.8 116.6,69.15 116.6,70.34 117,70.74 117,75.37 115.32,77.05 114.65,77.05 113.5,78.2 111.65,78.2 v1(111,78.85)
  Bottom w0.2: v1(117.3,68.8) 119.62,68.8 119.82,69 120.9,69 121.54,69.65 121.54,69.65 122.2,70.3 122.2,71.2 v1(122.22,71.23) ; v1(111,82.55) v1(111,78.85)
A7: length 109.4
  Top w0.2: J10.14 151.09,67.65 146.72,67.65 144.57,69.8 126.04,69.8 124.69,71.15 123.6,71.15 v1(123.4,70.95) 123.6,70.75 123.6,69.07 122.78,68.25 U7.13 ; 120.84,41.56 116.2,46.2 116.2,55.88 117.09,56.77 117.09,67.9 v1(116.85,68.14) 116.7,68.29 116.7,68.48 116.2,68.98 116.2,70.51 116.6,70.91 116.6,75.21 115.16,76.65 114.49,76.65 113.34,77.8 111.1,77.8 v1(110.1,78.8) ; U4.19 101.03,76.33 101.6,76.9 102.23,76.9 105.58,80.25 109.75,80.25 v1(109.95,80.45) 110.15,80.25 111.62,80.25 111.8,80.42 U1.35
  Bottom w0.2: v1(110.1,78.8) 109.95,78.95 v1(109.95,80.45) ; v1(116.85,68.14) 116.89,68.1 119.48,68.1 119.99,68.6 121.06,68.6 121.71,69.25 121.71,69.25 122.98,70.52 122.98,70.53 v1(123.4,70.95)
A8: length 112.9
  Top w0.2: U7.3 122.72,63.25 123.25,62.72 123.25,61.4 v1(122.97,61.13) ; 109.18,42.83 113,46.65 113,57.8 113.2,58 113.2,58.4 113.8,59 113.8,60.2 v1(113.6,60.4) 113.4,60.6 113.4,65.96 113,66.36 113,72.9 v1(111.75,74.15) ; v1(127.08,61.37) 127.36,61.37 128.93,62.95 144.47,62.95 146.68,65.15 151.12,65.15 J10.16 ; U1.36 112.6,80.45 112,79.85 105.75,79.85 102.2,76.3 v1(101.85,76.3) 101.22,75.67 U4.18
  Bottom w0.2: v1(127.08,61.37) 126.63,60.93 123.17,60.93 v1(122.97,61.13) 121.85,62.25 117.7,62.25 116.15,60.7 114.81,60.7 114.51,60.4 v1(113.6,60.4) ; v1(101.85,76.3) 101.85,75.9 103.95,73.8 105.43,73.8 105.88,73.35 109.1,73.35 109.3,73.15 109.8,73.15 110.8,74.15 v1(111.75,74.15)
A9: length 110.9
  Top w0.2: v1(127.1,60.55) 129.1,62.55 151.06,62.55 J10.18 ; U4.17 101.53,75.03 v1(101.55,75.05) 101.55,75.08 105.92,79.45 112.65,79.45 113.4,80.2 U1.37 ; v1(111.2,73.55) 111.78,73.55 112.6,72.74 112.6,66.19 113,65.79 113,59.8 v1(113,59.8) 112.8,59.6 112.8,58.17 112.6,57.97 112.6,47.5 109.19,44.09 ; U7.2 122.65,62.75 122.85,62.55 122.85,61.85 121.89,60.89 v1(121.84,60.89)
  Bottom w0.2: v1(101.55,75.05) 102.13,75.05 103.78,73.4 105.27,73.4 105.71,72.95 108.93,72.95 109.13,72.75 110.4,72.75 v1(111.2,73.55) ; v1(113,59.8) 114.48,59.8 114.98,60.3 116.32,60.3 117.87,61.85 120.88,61.85 v1(121.84,60.89) 122.2,60.53 127.08,60.53 v1(127.1,60.55)
A10: length 109.8
  Top w0.2: U1.38 114.2,80.25 112.8,78.85 v1(112.15,78.85) ; v1(109.55,74.75) 110.2,74.1 110.2,72.2 111.4,71 111.4,65.69 111.8,65.29 111.8,61.95 111.4,61.55 111.4,61.12 111.2,60.92 111.2,59 v1(111.4,58.8) 111.4,58.8 111.4,50.15 v1(111.12,49.88) 109.16,47.91 ; v1(108.35,58.8) 108.05,58.8 107.05,59.8 107.05,62.45 107.35,62.75 U7.31 ; v1(105.25,74.95) 104.68,74.38 U4.16 ; v1(140.45,60.05) 140.45,60.05 137.24,56.84 136.73,56.84 136.25,56.36 136.25,55.8 131.8,51.35 124.51,51.35 v1(124.21,51.04) ; v1(144.15,60.05) 151.1,60.05 J10.20
  Bottom w0.2: v1(111.12,49.88) 112.28,51.03 124.19,51.03 v1(124.21,51.04) ; v1(108.35,58.8) 108.75,59.2 111,59.2 v1(111.4,58.8) ; v1(105.25,74.95) 105.95,74.95 105.95,74.96 109.34,74.96 v1(109.55,74.75) 109.74,74.56 110.5,74.56 112.2,76.26 112.2,78.8 v1(112.15,78.85) ; v1(144.15,60.05) v1(140.45,60.05)
